# Altium PCB BluePillPcb.PcbDoc
Units mm, origin at the board's own origin, x right, y up, seen from the top; angles counter-clockwise.
Board outline 53 x 23 mm, 2 copper layers (Top Layer, Bottom Layer), stack 1.671 mm thick; 32 components, 49 nets, 164 pads, 32 vias.
Unrouted connection lines stored in the file: 10.
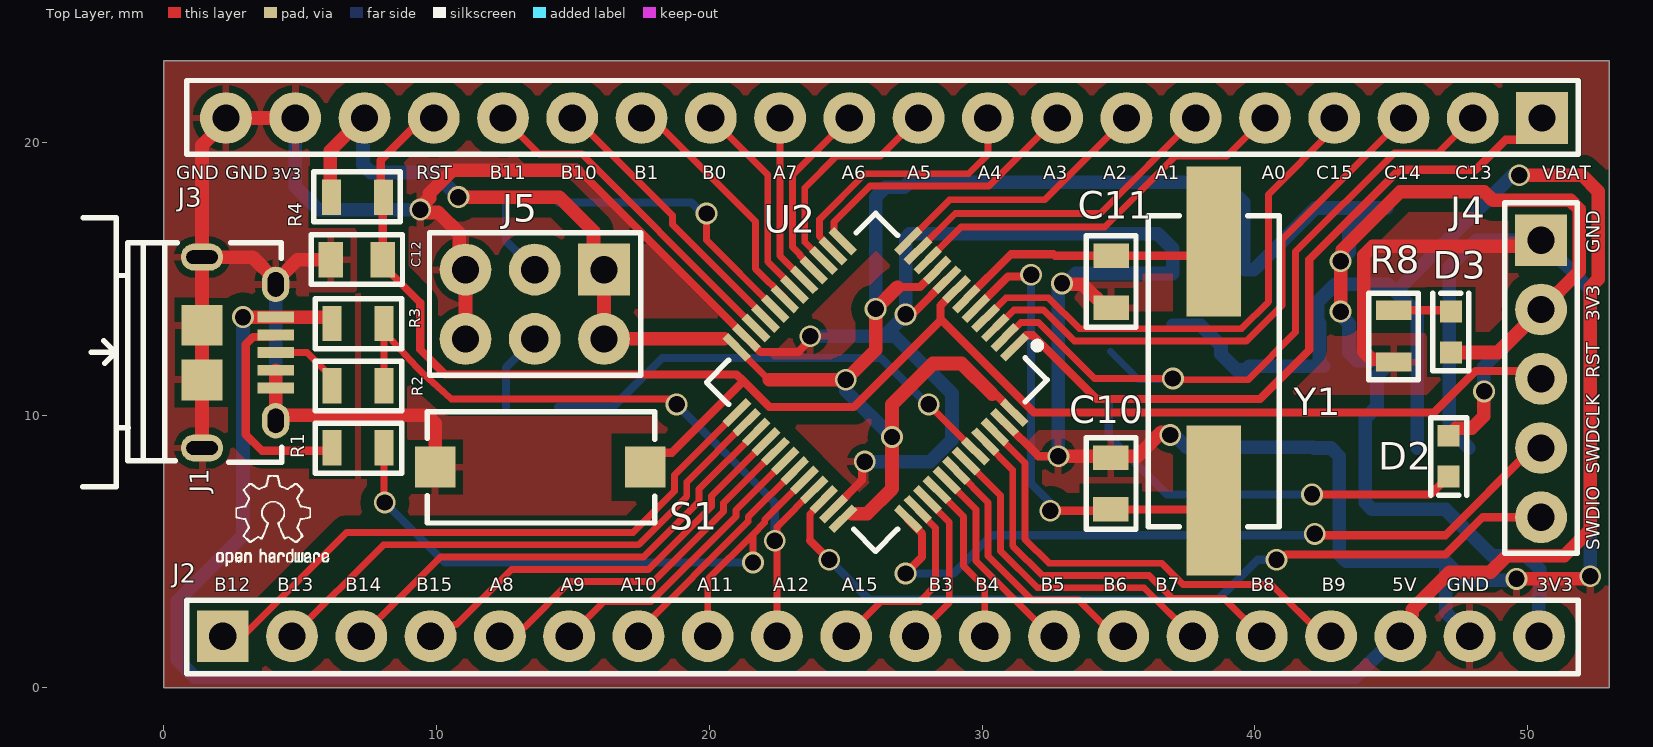
[diagram p0: Top Layer view]
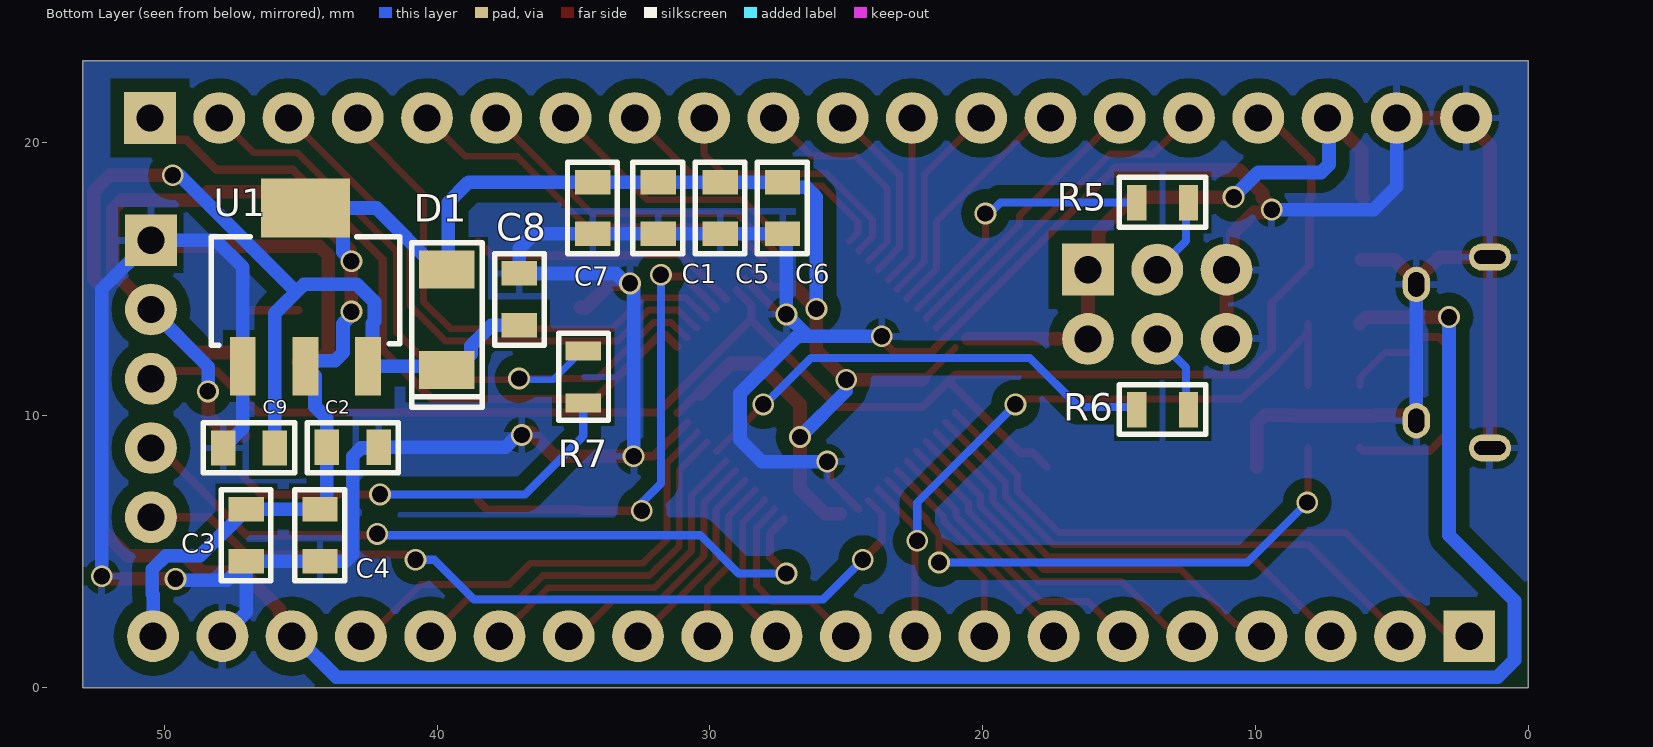
[diagram p1: Bottom Layer view, seen from below]
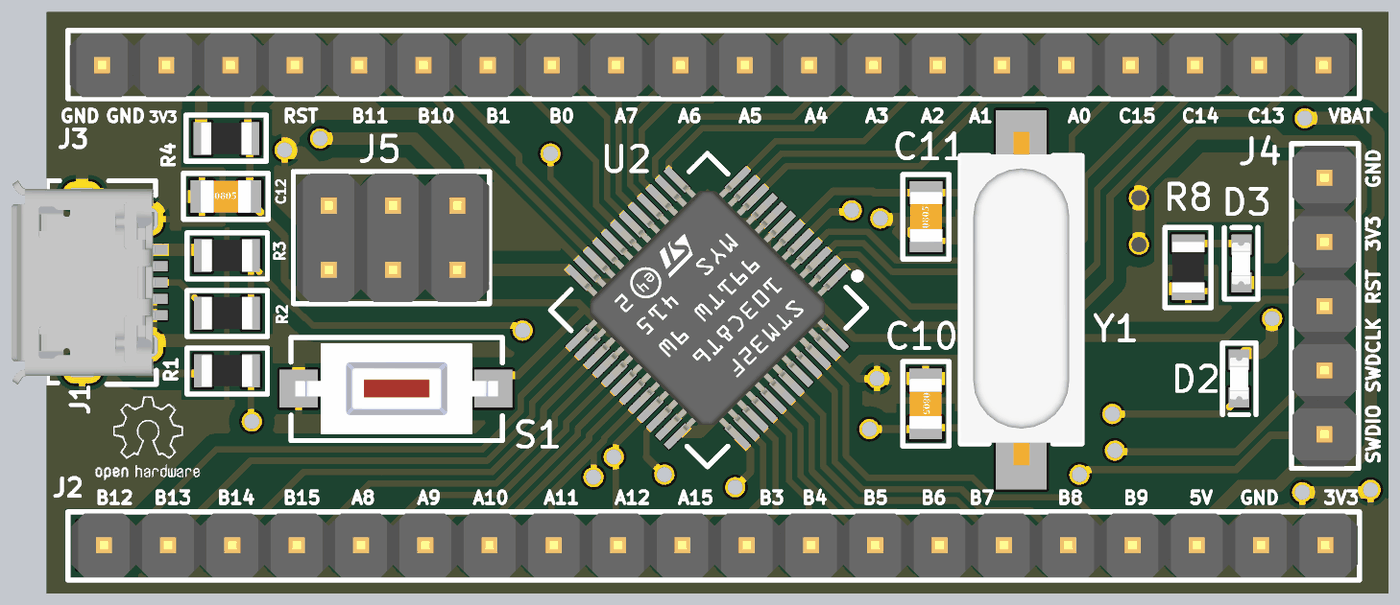
[diagram p2: 3D render of the assembled board from above, using the file's embedded part models]
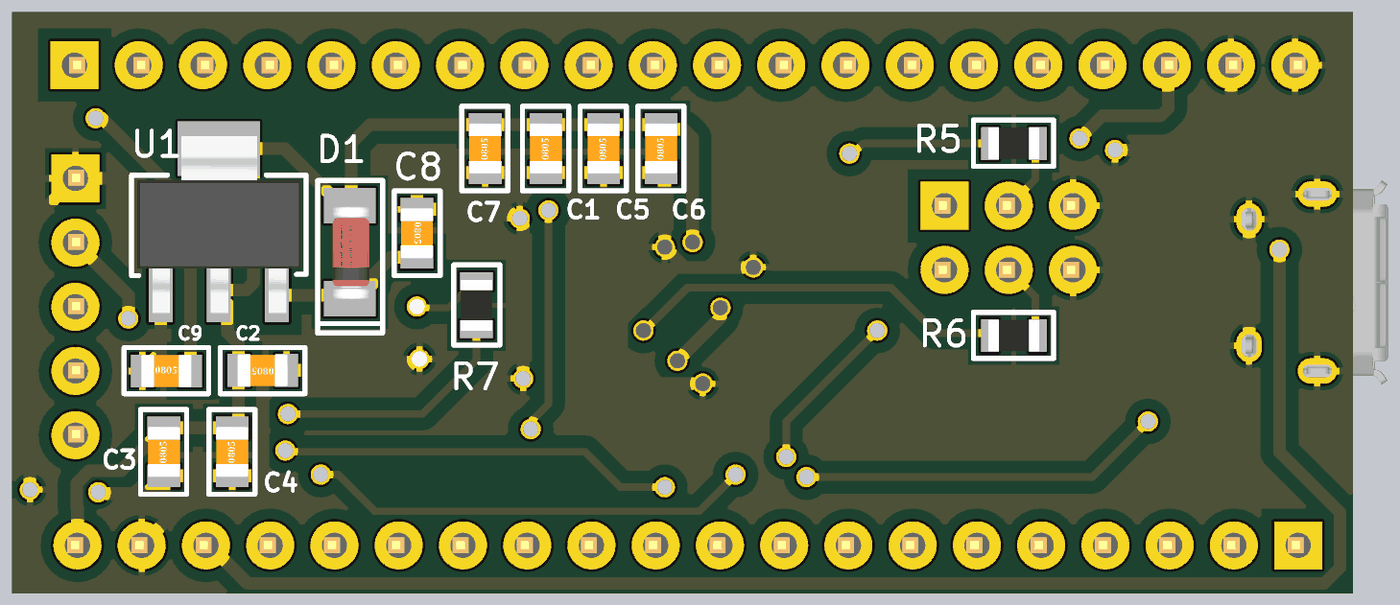
[diagram p3: 3D render of the assembled board from below, using the file's embedded part models]

## Layer stack, top to bottom
Top Solder: solder mask 0.0102, Solder Resist, Dk 3.5
Top Layer: signal copper 0.0356
Dielectric 1: dielectric 1.6, FR-4, Dk 4.8
Bottom Layer: signal copper 0.0356
Bottom Solder: solder mask 0.0102, Solder Resist, Dk 3.5

## Board outline
0,0 53,0 53,23 0,23

## Design rules (kind name [scope] priority, off if disabled: settings)
Clearance Clearance_Polygan [InPolygon] p1: gap=0.5 ignorepadtopadclearanceinfootprint=TRUE
Clearance [All] p2: gap=0.2 ignorepadtopadclearanceinfootprint=TRUE
HoleSize [All] p1: absolutevalues=TRUE maxlimit=5 minlimit=0.1 maxpercent=80.000 minpercent=20.000
HoleToHoleClearance [All] p1: gap=0.2 allowstackedmicrovias=TRUE
MinimumSolderMaskSliver [All] p1: minsoldermaskwidth=0.1
PolygonConnect [All] p1: connectstyle=Relief reliefconductorwidth=0.254 reliefentries=4 polygonreliefangle="90 Angle" airgapwidth=0.254
RoutingVias [All] p1: holewidth=0.6 width=0.8 viastyle="Through Hole" minholewidth=0.5 minwidth=0.7 maxholewidth=1 maxwidth=2
SilkToSilkClearance [All] p1: silktosilkclearance=0.1
SilkToSolderMaskClearance [IsPad] p1: minsilkscreentomaskgap=0.1 clearancetoexposedcopper=TRUE
SolderMaskExpansion [All] p1: expansion=0.102 istentingtop=FALSE
Width [All] p1: maxlimit=1 minlimit=0.25 preferedwidth=0.3
25 further rules are at their usual default settings.

## Components (designator, comment, footprint, x,y, rotation, side; value= is the part's Value field where it differs from the comment)
C1 "100nF" C0805 31.9,17.6 r90 bottom
C2 "100nF" C0805 43.1,8.825 r0 bottom
C3 "100nF" C0805 47,5.6 r90 bottom
C4 "100nF" C0805 44.3,5.6 r90 bottom
C5 "100nF" C0805 29.621,17.6 r90 bottom
C6 "100nF" C0805 27.341,17.6 r90 bottom
C7 "100nF" C0805 34.3,17.6 r90 bottom
C8 "1uF" C0805 37,14.25 r270 bottom
C9 "100nF" C0805 46.904,8.8 r180 bottom
C10 "20pF" C0805 34.721,7.5 r270 top
C11 "20pF" C0805 34.746,14.9 r90 top
C12 "1uF" C0805 7.075,15.7 r0 top
D1 "1N4148" DO-213-A 39.654,13.5 r270 bottom
D2 "Led White" LED0603 47.1,8.5 r270 top
D3 "Led White" LED0603 47.2,13.05 r90 top
J1 "USB MICRO B" USB 4.1,12.3 r270 top
J2 "header 1*20" "header 1*20" 2.16,1.9 r90 top
J3 "header 1*20" "header 1*20" 50.535,20.9 r270 top
J4 "header 1*5" "header 1*5" 50.5,16.42 r0 top
J5 "Header 2*3" "header 2*3" 16.14,15.34 r270 top
R1 "20OHM" R0805 7.119,8.807 r180 top
R2 "20OHM" R0805 7.119,11.087 r180 top
R3 "2K2" R0805 7.119,13.366 r180 top
R4 "10K" R0805 7.1,18 r0 top
R5 "100K" R0805 13.4,17.8 r180 bottom
R6 "100K" R0805 13.4,10.2 r180 bottom
R7 "10K" R0805 34.646,11.4 r270 bottom
R8 "10K" R0805 45.1,12.9 r90 top
S1 "PTS636SMG25JSMTRLFS" "Switch Reset" 13.8,8.1 r0 top
U1 "LM1117" LM1117_SOP 44.834,14.7 r270 bottom
U2 "STM32F103C8T6" TQFP48 26.1,11.3 r225 top
Y1 "Crystal_8MHz" CRYSTAL_8MHZ 38.5,11.619 r270 top

## Footprints (in the part's own frame and the unit in brackets; to place one, negate y for a bottom-side part, rotate by r counter-clockwise, add the part's x,y. Pads: shape width x height; smd on the part's side, far side on the other; paste and mask are expansions set on the pad)
C0805 [mm]
  rect 0.9x1.3 smd: 1(-0.95,0) 2(0.95,0)
  silkscreen extent -1.67,-0.9 1.68,0.92, body extent -1,-0.65 1,0.64, height 1.3
CRYSTAL_8MHZ [mm]
  rect 5.5x2 smd: 1(-4.75,0) 2(4.75,0)
  silkscreen extent -5.7,-2.4 5.7,2.4, body extent -6.65,-2.4 6.55,2.4, height 4.31
DO-213-A [mm]
  rect 1.4x2.03 smd: A(-1.84,0) K(1.84,0)
  silkscreen extent -2.83,-1.28 3.2,1.3, body extent -1.82,-0.75 1.88,0.85, height 1.6
"header 1*5" [mm]
  rect 1.9x1.9 hole 1: 1(0,0)
  round 1.9 hole 1: 2(0,-2.54) 3(0,-5.08) 4(0,-7.62) 5(0,-10.16)
  silkscreen extent -1.32,-11.48 1.33,1.38, body extent -1.3,-11.4 1.24,1.3, height 5.59
"header 1*20" [mm]
  rect 1.9x1.9 hole 1: 1(0,0)
  round 1.9 hole 1: 2(0,-2.54) 3(0,-5.08) 4(0,-7.62) 5(0,-10.16) 6(0,-12.7) 7(0,-15.24) 8(0,-17.78) 9(0,-20.32) 10(0,-22.86) 11(0,-25.4) 12(0,-27.94) 13(0,-30.48) 14(0,-33.02) 15(0,-35.56) 16(0,-38.1) 17(0,-40.64) 18(0,-43.18) 19(0,-45.72) 20(0,-48.26)
  silkscreen extent -1.38,-49.7 1.33,1.32, body extent -1.27,-49.62 1.27,1.18, height 5.59
"header 2*3" [mm]
  rect 1.9x1.9 hole 1: 1(0,0)
  round 1.9 hole 1: 2(0,-2.54) 3(0,-5.08) 4(2.54,-5.08) 5(2.54,-2.54) 6(2.54,0)
  silkscreen extent -1.35,-6.4 3.87,1.35, body extent -1.27,-6.27 3.8,1.35, height 8.05
LED0603 [mm]
  rect 0.8x0.8 smd: A(-0.75,0) K(0.75,0)
  silkscreen extent -1.41,-0.65 1.43,0.67, body extent -0.83,-0.35 0.83,0.38, height 0.69
LM1117_SOP [mm]
  rect 2.15x0.95 smd: 1(2.9,-2.3) 2(2.9,0) 3(2.9,2.3)
  rect 2.15x3.25 smd: 4(-2.9,0)
  silkscreen extent -1.85,-3.45 2.13,3.45, body extent -3.4,-3.23 3.6,3.27, height 1.64
R0805 [mm]
  rect 0.7x1.3 smd: 1(-0.95,0) 2(0.95,0)
  silkscreen extent -1.6,-0.9 1.58,0.92, body extent -1,-0.62 1,0.63, height 0.61
"Switch Reset" [mm]
  rect 1.5x1.5 smd: 1(-3.85,0) 2(3.85,0)
  silkscreen extent -4.15,-2.05 4.2,2.02, body extent -3.98,-1.8 4.03,1.8, height 2.51
TQFP48 [mm]
  rect 1.2x0.3 smd mask+0.04: 1(-4.446,2.75) 2(-4.446,2.25) 3(-4.446,1.75) 4(-4.446,1.25) 5(-4.446,0.75) 6(-4.446,0.25) 7(-4.446,-0.25) 8(-4.446,-0.75) 9(-4.446,-1.25) 10(-4.446,-1.75) 11(-4.446,-2.25) 12(-4.446,-2.75) 25(4.445,-2.746) 26(4.445,-2.246) 27(4.445,-1.746) 28(4.445,-1.246) 29(4.445,-0.746) 30(4.445,-0.246) 31(4.445,0.254) 32(4.445,0.754) 33(4.445,1.254) 34(4.445,1.754) 35(4.445,2.254) 36(4.445,2.754)
  rect 0.3x1.2 smd mask+0.04: 13(-2.738,-4.445) 14(-2.238,-4.445) 15(-1.738,-4.445) 16(-1.238,-4.445) 17(-0.738,-4.445) 18(-0.238,-4.445) 19(0.262,-4.445) 20(0.762,-4.445) 21(1.262,-4.445) 22(1.762,-4.445) 23(2.262,-4.445) 24(2.762,-4.445) 37(2.762,4.445) 38(2.262,4.445) 39(1.762,4.445) 40(1.262,4.445) 41(0.762,4.445) 42(0.262,4.445) 43(-0.238,4.445) 44(-0.738,4.445) 45(-1.238,4.445) 46(-1.738,4.445) 47(-2.238,4.445) 48(-2.738,4.445)
  silkscreen extent -5.21,-4.32 4.44,4.45, body extent -4.5,-4.5 4.5,4.5, height 1.55
USB [mm]
  rect 0.4x1.35 smd mask+0.06: 1(-1.3,0) 2(-0.65,0) 3(0,0) 4(0.65,0) 5(1.3,0)
  oval 1.3x1 hole 0.6 slot 0.9 at 0 deg: 6(-2.5,0) 7(2.5,0)
  oval 1x1.55 hole 0.5 slot 1.15 at 90 deg: 8(-3.5,-2.7) 9(3.5,-2.7)
  rect 1.5x1.5 smd mask+0.06: 10(-1,-2.7) 11(1,-2.7)
  silkscreen extent -4.95,-7.07 4.93,0.23, body extent -4.02,-5.5 4.02,0.19, height 2.77

## Part data
C1 C2 C3 C4 C5 C6 C7 C9: library part C0805_100nF, "Cap Ceramic 0.1uF 50V X7R 10% Pad SMD 0805 (1%FR) 125C", Manufacturer=KEMET, Manufacturer Part Number=M3253504E2A104KZMB, Supplier Part Number 1=1001-2517-1-ND, ComponentLink1Description=https://api.kemet.com/component-edge/download/datasheet/M3253504E2A104KZMB.pdf?src-supplier=Digi-Key, ComponentLink1URL=https://api.kemet.com/component-edge/download/datasheet/M3253504E2A104KZMB.pdf?src-supplier=Digi-Key, Pricing 1="1=6.48000, 10=5.76300, 50=5.04240, 100=4.61010, 500=3.96184, 1000=3.67371 (USD)", RoHS=No, RoHS Compliant=No, Stock 1=3225, Supplier 1=Digi-Key
C8 C12: library part C0805_1uF, "KEMET         C0805C105K5PACTU             SMD Multilayer Ceramic Capacitor, 0805 [2012 Metric], 1 F, 50 V,  10%, X5R, C Series", Case Code (Imperial)=0805, Case Code (Metric)=2012, Dielectric=X5R, Dielectric Material=Ceramic, Manufacturer=KEMET, Manufacturer Part Number=C0805C105K5PACTU, Max Operating Temperature=85°C, Min Operating Temperature=-55°C, Package Quantity=2500, Supplier Part Number 1=399-15436-1-ND, Tolerance=10%, Voltage Rating=50V, Capacitance=1uF, Case/Package=0805, Category="Ceramic Capacitors", ComponentLink1Description=http://www.farnell.com/datasheets/2746140.pdf?src-supplier=Farnell, ComponentLink1URL=http://www.farnell.com/datasheets/2746140.pdf?src-supplier=Farnell, ComponentLink2Description=http://www.mouser.com/ds/2/212/KEM_C1006_X5R_SMD-1103249.pdf?src-supplier=Mouser, ComponentLink2URL=http://www.mouser.com/ds/2/212/KEM_C1006_X5R_SMD-1103249.pdf?src-supplier=Mouser, ComponentLink3Description=https://api.kemet.com/component-edge/download/datasheet/C0805C105K5PAC7800.pdf?src-supplier=Digi-Key, ComponentLink3URL=https://api.kemet.com/component-edge/download/datasheet/C0805C105K5PAC7800.pdf?src-supplier=Digi-Key, ComponentLink4Description=http://www.farnell.com/datasheets/2746140.pdf?src-supplier=Newark, ComponentLink4URL=http://www.farnell.com/datasheets/2746140.pdf?src-supplier=Newark, ComponentLink5Description=http://www.farnell.com/datasheets/2032728.pdf?src-supplier=Element14, ComponentLink5URL=http://www.farnell.com/datasheets/2032728.pdf?src-supplier=Element14, Lead Free="Lead Free", Length=0.079inch, Mount="Surface Mount", Packaging="Tape and Reel", Pricing 1="1=0.37000, 10=0.25000, 50=0.16700, 100=0.14190, 500=0.10018, 1000=0.08766 (USD)", REACH SVHC="No SVHC", RoHS=Yes, Stock 1=4156, Supplier 1=Digi-Key, Termination=SMD/SMT, Thickness=0.055inch, Voltage Rating (DC)=50V, Weight=0.000194oz, Width=0.049inch
C10 C11: library part C0805_20pF, "Cap Ceramic 20pF 50V C0G 10% SMD 0805 125°C Paper T/R", Case/Package=0805, Dielectric Material=Ceramic, Manufacturer=KEMET, Manufacturer Part Number=C0805C200K5GAC7800, Supplier Part Number 1=399-14568-1-ND, Tolerance=10%, Voltage Rating (DC)=50V, Capacitance=20pF, Category="Ceramic Capacitors", ComponentLink1Description=https://api.kemet.com/component-edge/download/datasheet/C0805C200K5GACTU.pdf?src-supplier=Digi-Key, ComponentLink1URL=https://api.kemet.com/component-edge/download/datasheet/C0805C200K5GACTU.pdf?src-supplier=Digi-Key, Lead Free="Lead Free", Pricing 1="1=0.29000, 10=0.19700, 50=0.13120, 100=0.11140, 500=0.07866, 1000=0.06883 (USD)", RoHS=Yes, Stock 1=273, Supplier 1=Digi-Key
D1: library part 1N4148UR-1, "Diode Switching 75V 0.2A 2-Pin DO-213AA", Average Rectified Current=200mA, Forward Voltage=1.2V, Manufacturer=Microsemi, Max Operating Temperature=175°C, Max Repetitive Reverse Voltage (Vrrm)=75V, Max Reverse Current=500nA, Min Operating Temperature=-65°C, Peak Non-Repetitive Surge Current=2A, Supplier Part Number 1=34AJ8178, Category="Rectifier Diodes", ComponentLink1Description=https://datasheet.ciiva.com/3304/lds-0281-1-3304223.pdf?src-supplier=Avnet, ComponentLink1URL=https://datasheet.ciiva.com/3304/lds-0281-1-3304223.pdf?src-supplier=Avnet, Element Configuration=Single, Forward Current=200mA, Lead Free="Lead Free", Manufacturer Part Number=1N4148UR-1, Max Reverse Voltage (DC)=75V, Mount="Surface Mount", Number of Pins=2, Packaging=Bulk, Pricing 1="491=0.66300 (USD)", Radiation Hardening=No, Reverse Recovery Time=5ns, RoHS=No, Supplier 1=Newark
D2 D3: library part LED0603, "Led White Clear 0603 SMD", Case Code (Imperial)=0603, Case Code (Metric)=1608, Color=White, Forward Voltage=3V, Lens Color=Clear, Manufacturer=Inolux, Manufacturer Part Number=IN-S63AT5UW, Supplier Part Number 1=1830-1063-1-ND, Test Current=5mA, Case/Package=0603, Category=LEDs, ComponentLink1Description=http://www.inolux-corp.com/datasheet/SMDLED/Mono%20Color%20Top%20View/IN-S63AT%20Series_V1.1.pdf?src-supplier=Digi-Key, ComponentLink1URL=http://www.inolux-corp.com/datasheet/SMDLED/Mono%20Color%20Top%20View/IN-S63AT%20Series_V1.1.pdf?src-supplier=Digi-Key, Height=0.4mm, Length=1.6mm, Lens Size=0.8mm, Lens Style=Flat, Lens Transparency=Clear, Luminous Intensity=900mcd, Mount="Surface Mount", Packaging="Tape and Reel", Pricing 1="1=0.34000, 10=0.18600, 100=0.08610, 500=0.07950, 1000=0.06228, 2000=0.06095 (USD)", RoHS=No, Stock 1=294296, Supplier 1=Digi-Key, Viewing Angle=120°, Width=0.8mm
J1: "CONN USB MICRO B RECPT SMT R/A", Manufacturer="Amphenol ICC / FCI", Manufacturer Part Number=10118194-0001LF, Supplier Part Number 1=67T2260, Category="USB Connectors", ComponentLink1Description=http://components.arrow.com/part/dataview/0323_04107373?src-supplier=Arrow+Europe, ComponentLink1URL=http://components.arrow.com/part/dataview/0323_04107373?src-supplier=Arrow+Europe, ComponentLink2Description=https://cdn.amphenol-icc.com/media/wysiwyg/files/drawing/10118194.pdf?src-supplier=Avnet, ComponentLink2URL=https://cdn.amphenol-icc.com/media/wysiwyg/files/drawing/10118194.pdf?src-supplier=Avnet, ComponentLink3Description=http://www.farnell.com/datasheets/2366786.pdf?src-supplier=Newark, ComponentLink3URL=http://www.farnell.com/datasheets/2366786.pdf?src-supplier=Newark, ComponentLink4Description=https://cdn.amphenol-icc.com/media/wysiwyg/files/drawing/10118194.pdf?src-supplier=Mouser, ComponentLink4URL=https://cdn.amphenol-icc.com/media/wysiwyg/files/drawing/10118194.pdf?src-supplier=Mouser, ComponentLink5Description=http://www.amphenol-icc.com/media/wysiwyg/files/drawing/10118194.pdf?src-supplier=Digi-Key, ComponentLink5URL=http://www.amphenol-icc.com/media/wysiwyg/files/drawing/10118194.pdf?src-supplier=Digi-Key, ComponentLink6Description=http://www.farnell.com/cad/2354948.pdf?src-supplier=Farnell, ComponentLink6URL=http://www.farnell.com/cad/2354948.pdf?src-supplier=Farnell, ComponentLink7Description=https://cdn.amphenol-icc.com/media/wysiwyg/files/drawing/10118194.pdf?src-supplier=RSComponents, ComponentLink7URL=https://cdn.amphenol-icc.com/media/wysiwyg/files/drawing/10118194.pdf?src-supplier=RSComponents, ComponentLink8Description=https://cdn.amphenol-icc.com/media/wysiwyg/files/drawing/10118194.pdf?src-supplier=Allied+Electronics, ComponentLink8URL=https://cdn.amphenol-icc.com/media/wysiwyg/files/drawing/10118194.pdf?src-supplier=Allied+Electronics, ComponentLink9Description=https://cdn.amphenol-icc.com/media/wysiwyg/files/drawing/10118194.pdf?src-supplier=Verical, ComponentLink9URL=https://cdn.amphenol-icc.com/media/wysiwyg/files/drawing/10118194.pdf?src-supplier=Verical, ComponentLink10Description=https://cdn.amphenol-icc.com/media/wysiwyg/files/drawing/10118194.pdf?src-supplier=Arrow+Electronics, ComponentLink10URL=https://cdn.amphenol-icc.com/media/wysiwyg/files/drawing/10118194.pdf?src-supplier=Arrow+Electronics, ComponentLink11Description=https://cdn.amphenol-icc.com/media/wysiwyg/files/drawing/10118194.pdf?src-supplier=TTI, ComponentLink11URL=https://cdn.amphenol-icc.com/media/wysiwyg/files/drawing/10118194.pdf?src-supplier=TTI, ComponentLink12Description=https://cdn.amphenol-icc.com/media/wysiwyg/files/drawing/10118194.pdf?src-supplier=NAC+Semi, ComponentLink12URL=https://cdn.amphenol-icc.com/media/wysiwyg/files/drawing/10118194.pdf?src-supplier=NAC+Semi, ComponentLink13Description=https://cdn.amphenol-icc.com/media/wysiwyg/files/drawing/10118194.pdf?src-supplier=SOS+electronic, ComponentLink13URL=https://cdn.amphenol-icc.com/media/wysiwyg/files/drawing/10118194.pdf?src-supplier=SOS+electronic, ComponentLink14Description=https://cdn.amphenol-icc.com/media/wysiwyg/files/drawing/10118194.pdf?src-supplier=Quest, ComponentLink14URL=https://cdn.amphenol-icc.com/media/wysiwyg/files/drawing/10118194.pdf?src-supplier=Quest, ComponentLink15Description=https://cdn.amphenol-icc.com/media/wysiwyg/files/drawing/10118194.pdf?src-supplier=Heilind+Electronics, ComponentLink15URL=https://cdn.amphenol-icc.com/media/wysiwyg/files/drawing/10118194.pdf?src-supplier=Heilind+Electronics, ComponentLink16Description=https://cdn.amphenol-icc.com/media/wysiwyg/files/drawing/10118194.pdf?src-supplier=TME, ComponentLink16URL=https://cdn.amphenol-icc.com/media/wysiwyg/files/drawing/10118194.pdf?src-supplier=TME, Pricing 1="1=0.24700, 25=0.24700, 100=0.24700, 250=0.22600, 500=0.22600 (USD)", RoHS=No, Stock 1=24134, Supplier 1=Newark
J2 J3: "2.54mm (0.1\") Pitch SIL Vertical PC Tail Pin Header, 6.1mm mating pin height, gold (hi-temp mould), 20 contacts", Case/Package=SIL, Color=Black, Contact Resistance=25mR, Manufacturer=Harwin, Manufacturer Part Number=M20-9992045, Max Current Rating=3A, Max Operating Temperature=105°C, Min Operating Temperature=-40°C, Package Quantity=200, Supplier Part Number 1=952-3306-ND, Category="Headers and Wire Housings", ComponentLink1Description=https://datasheet.ciiva.com/5159/m20-999-351179-5159781.pdf?src-supplier=Mouser, ComponentLink1URL=https://datasheet.ciiva.com/5159/m20-999-351179-5159781.pdf?src-supplier=Mouser, Connector Type="Male Pin", Contact Material=Brass, Contact Mating Length=0.24inch, Contact Plating=Gold, Depth=2.54mm, Gender=Male, Housing Color=Black, Housing Material=Nylon, Length=50.8mm, Mount="Through Hole", Number of Contacts=20, Number of Positions=20, Number of Rows=1, Orientation=Straight, Packaging=Bulk, Pitch=2.54mm, Pricing 1="1=0.75000, 10=0.65900, 100=0.56880, 500=0.46540, 1000=0.41370, 5000=0.36198, 10000=0.34389 (USD)", Radiation Hardening=No, RoHS=Yes, Stock 1=74, Supplier 1=Digi-Key, Termination=Solder
J4: "M20 Header,  Pin,  Sil,  Vertical,  5 W", Case/Package=SIL, Color=Black, Contact Resistance=25mR, Current Rating=3A, Insulation Resistance=10GR, Manufacturer=Harwin, Manufacturer Part Number=M20-9990545, Max Operating Temperature=105°C, Min Operating Temperature=-40°C, Package Quantity=1000, Supplier Part Number 1=952-2267-ND, Category="Headers and Wire Housings", ComponentLink1Description=https://datasheet.ciiva.com/11753/0900766b80da602d-11753877.pdf?src-supplier=RSComponents, ComponentLink1URL=https://datasheet.ciiva.com/11753/0900766b80da602d-11753877.pdf?src-supplier=RSComponents, ComponentLink2Description=https://datasheet.ciiva.com/9479/m20-999-9479623.pdf?src-supplier=Avnet, ComponentLink2URL=https://datasheet.ciiva.com/9479/m20-999-9479623.pdf?src-supplier=Avnet, ComponentLink3Description=https://datasheet.ciiva.com/8046/315376-8046938.pdf?src-supplier=Element14, ComponentLink3URL=https://datasheet.ciiva.com/8046/315376-8046938.pdf?src-supplier=Element14, ComponentLink4Description=https://datasheet.ciiva.com/6814/m20-999-6814798.pdf?src-supplier=Digi-Key, ComponentLink4URL=https://datasheet.ciiva.com/6814/m20-999-6814798.pdf?src-supplier=Digi-Key, ComponentLink5Description=https://datasheet.ciiva.com/16657/m20-999-16657087.pdf?src-supplier=Avnet+Europe, ComponentLink5URL=https://datasheet.ciiva.com/16657/m20-999-16657087.pdf?src-supplier=Avnet+Europe, Connector Type="Male Pin", Contact Material=Brass,Bronze, Contact Mating Length=0.24inch, Contact Plating=Gold, Depth=2.54mm, Gender=Male, Height=0.12inch, Housing Color=Black, Housing Material=Nylon, Length=12.7mm, Max Current Rating=3A, Mount="Through Hole", Number of Contacts=5, Number of Positions=5, Number of Rows=1, Orientation=Straight, Packaging=Bag, Pitch=2.54mm, Pricing 1="1=0.26000, 10=0.24200, 100=0.16810, 500=0.14220, 1000=0.11635, 5000=0.10342, 10000=0.09373 (USD)", Radiation Hardening=No, REACH SVHC="No SVHC", RoHS=Yes, Stock 1=4725, Supplier 1=Digi-Key, Termination=Solder, Weight=0.1lb, Width=0.5inch